# Altium PCB Main_Board.PcbDoc (part 15 of 19) (continued)
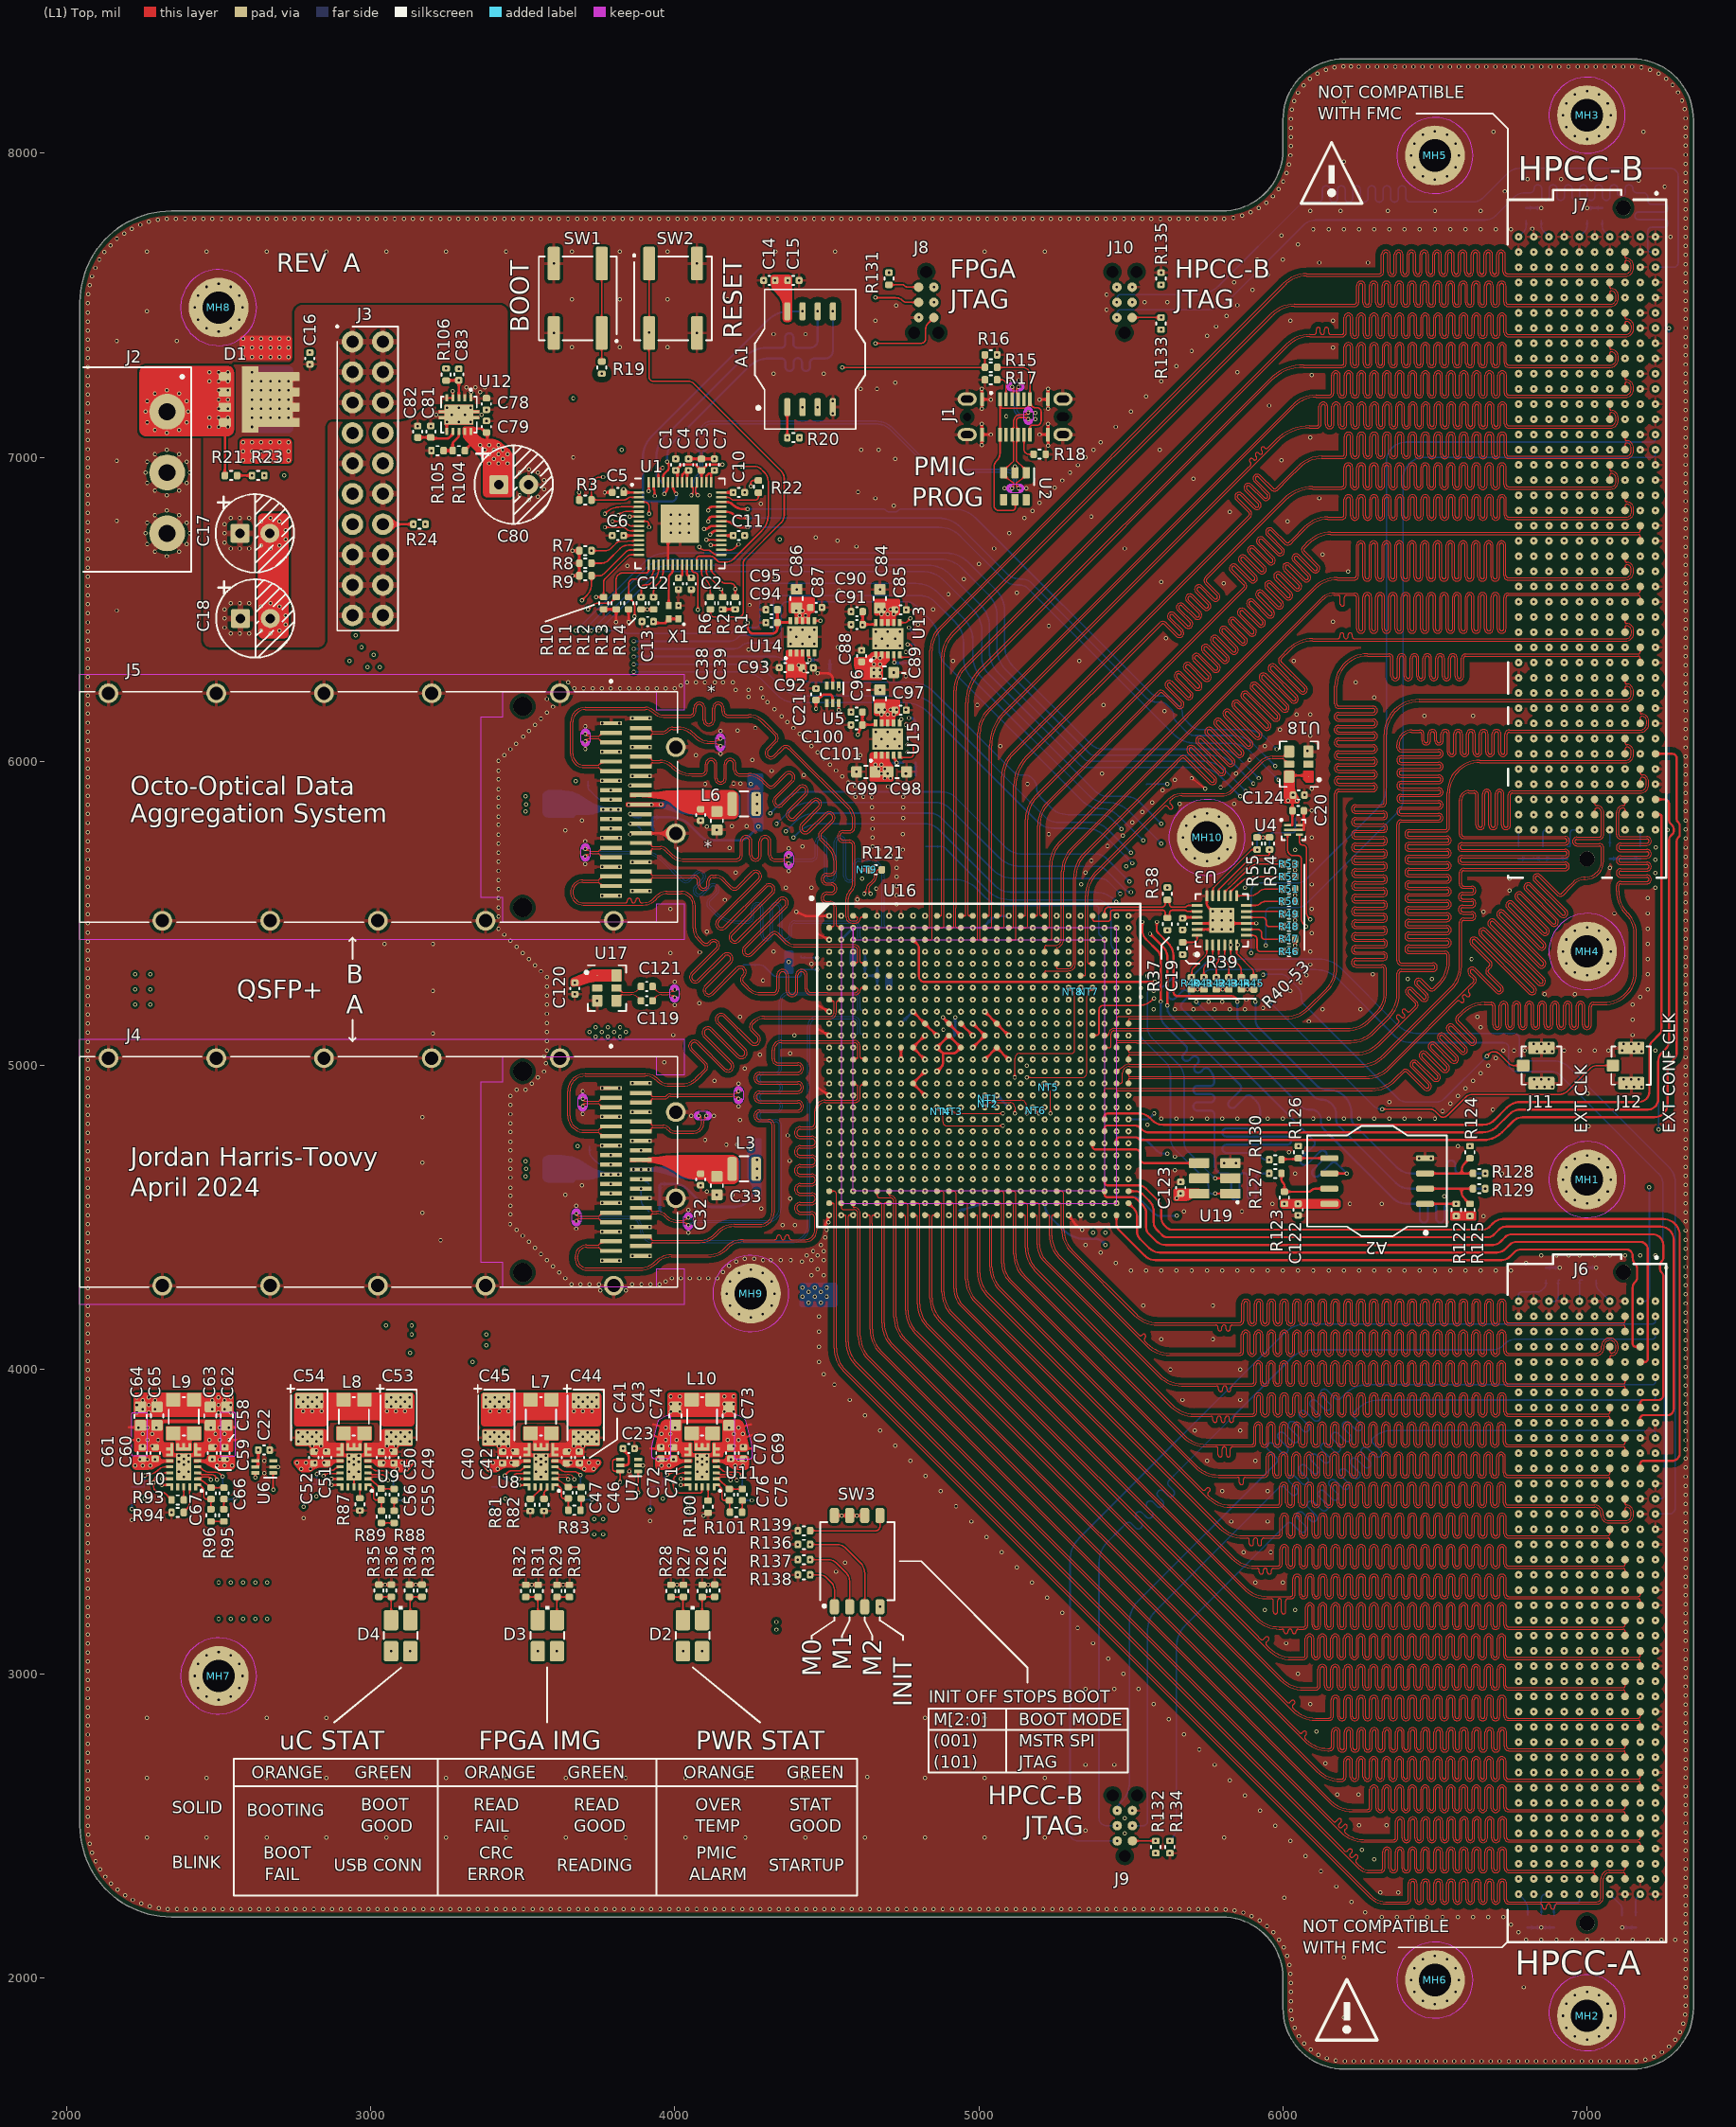
[diagram p0: (L1) Top view]
## Nets (pads, with @x,y where several pads share a name; then routed paths per layer and width w, separated by ;. In a path a pad name is that pad's centre, name@x,y a point inside that pad or via, vN(x,y) a via of type N, cw(c..) or ccw(c..) an arc to the next point about the centre after c; other vN are vias at no path point) (continued)
HPCC_B_68_P: J7.J22 U16.G19 | length 4382.1
  (L3) Inner 2 w3.5: v1(5216.54,5255.91) cw(c5217.34,5252.5) 5217.32,5256 5229.2,5256 ccw(c5229.2,5259.5) 5232.7,5259.5 5232.7,5516.23 ccw(c5230.23,5516.23) 5231.98,5517.98 cw(c5233.73,5519.73) 5231.25,5519.73 5231.25,5658.63 cw(c5340.05,5658.63) 5263.12,5735.56 6150.09,6622.53 cw(c6227.02,6545.6) 6227.02,6654.4 6291.07,6654.4 6297.23,6654.4 ccw(c6297.23,6661.15) 6303.98,6661.15 6303.98,6703.82 cw(c6319.53,6703.82) 6335.08,6703.82 6335.08,6609.24 ccw(c6341.83,6609.24) 6348.58,6609.24 6348.58,6703.82 cw(c6364.13,6703.82) 6379.68,6703.82 6379.68,6609.24 ccw(c6386.43,6609.24) 6393.18,6609.24 6393.18,6703.82 cw(c6408.73,6703.82) 6424.28,6703.82 6424.28,6609.24 ccw(c6431.03,6609.24) 6437.78,6609.24 6437.78,6703.82 cw(c6453.33,6703.82) 6468.88,6703.82 6468.88,6609.24 ccw(c6475.63,6609.24) 6482.38,6609.24 6482.38,6703.82 cw(c6497.93,6703.82) 6513.48,6703.82 6513.48,6609.24 ccw(c6520.23,6609.24) 6526.98,6609.24 6526.98,6703.82 cw(c6542.53,6703.82) 6558.08,6703.82 6558.08,6609.24 ccw(c6564.83,6609.24) 6571.58,6609.24 6571.58,6703.82 cw(c6587.13,6703.82) 6602.68,6703.82 6602.68,6609.24 ccw(c6609.43,6609.24) 6616.18,6609.24 6616.18,6703.82 cw(c6631.73,6703.82) 6647.28,6703.82 6647.28,6609.24 ccw(c6654.03,6609.24) 6660.78,6609.24 6660.78,6703.82 cw(c6676.33,6703.82) 6691.88,6703.82 6691.88,6609.24 ccw(c6698.63,6609.24) 6705.38,6609.24 6705.38,6638.85 cw(c6720.93,6638.85) 6720.93,6654.4 6750.33,6654.4 6821.5,6654.4 ccw(c6821.5,6657.9) 6823.97,6655.43 ccw(c6821.5,6657.9) 6825,6657.9 v1(6825,6675)
HPCC_B_69_N: J7.J27 U16.M19 | length 4312.6
  (L3) Inner 2 w3.5: v1(5216.54,5059.06) 5216.54,5048.45 ccw(c5221.63,5048.46) 5221.62,5043.37 5225.84,5043.37 5248.9,5043.37 ; 5248.93,5043.37 ccw(c5249.31,5046.85) 5249.29,5043.35 5891.93,5043.35 ccw(c5891.93,5143.35) 5962.64,5072.64 6140.71,5250.71 ccw(c6070,5321.42) 6170,5321.42 6170,5684 6170,5736.25 cw(c6185.55,5736.25) 6185.55,5751.8 6290.59,5751.8 ccw(c6290.59,5758.55) 6290.59,5765.3 6183.59,5765.3 cw(c6183.59,5780.85) 6183.59,5796.4 6290.59,5796.4 ccw(c6290.59,5803.15) 6290.59,5809.9 6183.59,5809.9 cw(c6183.59,5825.45) 6183.59,5841 6290.59,5841 ccw(c6290.59,5847.75) 6290.59,5854.5 6183.59,5854.5 cw(c6183.59,5870.05) 6183.59,5885.6 6290.59,5885.6 ccw(c6290.59,5892.35) 6290.59,5899.1 6183.59,5899.1 cw(c6183.59,5914.65) 6183.59,5930.2 6290.59,5930.2 ccw(c6290.59,5936.95) 6290.59,5943.7 6183.59,5943.7 cw(c6183.59,5959.25) 6183.59,5974.8 6290.59,5974.8 ccw(c6290.59,5981.55) 6290.59,5988.3 6185.55,5988.3 cw(c6185.55,6003.85) 6170,6003.85 6170,6010 6170,6295 cw(c6278.8,6295) 6278.8,6403.8 6829.8,6403.8 ccw(c6829.8,6420) 6846,6420 6846,6430 ccw(c6829,6430) 6829,6447 ccw(c6829,6443) 6825,6443 v1(6825,6425)
HPCC_B_69_P: J7.J26 U16.N18 | length 4377.5
  (L3) Inner 2 w3.5: v1(5177.17,5019.69) 5177.17,5030.17 cw(c5183,5030.17) 5183,5036 5516.23,5036 cw(c5516.23,5033.52) 5517.98,5035.28 ; 5517.98,5035.27 ccw(c5519.73,5037.03) 5519.73,5034.55 5891.93,5034.55 ccw(c5891.93,5143.35) 5968.86,5066.42 6146.93,5244.49 ccw(c6070,5321.42) 6178.8,5321.42 6178.8,5684 6178.8,5736.25 cw(c6185.55,5736.25) 6185.55,5743 6290.59,5743 ccw(c6290.59,5758.55) 6290.59,5774.1 6183.59,5774.1 cw(c6183.59,5780.85) 6183.59,5787.6 6290.59,5787.6 ccw(c6290.59,5803.15) 6290.59,5818.7 6183.59,5818.7 cw(c6183.59,5825.45) 6183.59,5832.2 6290.59,5832.2 ccw(c6290.59,5847.75) 6290.59,5863.3 6183.59,5863.3 cw(c6183.59,5870.05) 6183.59,5876.8 6290.59,5876.8 ccw(c6290.59,5892.35) 6290.59,5907.9 6183.59,5907.9 cw(c6183.59,5914.65) 6183.59,5921.4 6290.59,5921.4 ccw(c6290.59,5936.95) 6290.59,5952.5 6183.59,5952.5 cw(c6183.59,5959.25) 6183.59,5966 6290.59,5966 ccw(c6290.59,5981.55) 6290.59,5997.1 6185.55,5997.1 cw(c6185.55,6003.85) 6178.8,6003.85 6178.8,6010 6178.8,6295 cw(c6278.8,6295) 6278.8,6395 6829.8,6395 ccw(c6829.8,6420) 6854.8,6420 6854.8,6430 ccw(c6829,6430) 6829,6455.8 cw(c6829,6459.8) 6825,6459.8 v1(6825,6475)
HPCC_B_70_N: J7.J31 U16.P21 | length 4455.4
  (L3) Inner 2 w3.5: v1(5295.28,4980.31) 5295.28,4967.81 ccw(c5298.78,4967.81) 5296.3,4965.33 ccw(c5298.78,4967.81) 5298.78,4964.31 6102.88,4964.31 ccw(c6102.88,5064.31) 6173.59,4993.59 6345.71,5165.71 ccw(c6275,5236.42) 6375,5236.42 6375,5691.51 6375,5735.6 cw(c6390.55,5735.6) 6390.55,5751.15 6504,5751.15 ccw(c6504,5757.9) 6504,5764.65 6390.12,5764.65 cw(c6390.12,5780.2) 6390.12,5795.75 6504,5795.75 ccw(c6504,5802.5) 6504,5809.25 6390.12,5809.25 cw(c6390.12,5824.8) 6390.12,5840.35 6504,5840.35 ccw(c6504,5847.1) 6504,5853.85 6390.12,5853.85 cw(c6390.12,5869.4) 6390.12,5884.95 6504,5884.95 ccw(c6504,5891.7) 6504,5898.45 6390.12,5898.45 cw(c6390.12,5914) 6390.12,5929.55 6504,5929.55 ccw(c6504,5936.3) 6504,5943.05 6390.12,5943.05 cw(c6390.12,5958.6) 6390.12,5974.15 6504,5974.15 ccw(c6504,5980.9) 6504,5987.65 6390.12,5987.65 cw(c6390.12,6003.2) 6390.12,6018.75 6504,6018.75 ccw(c6504,6025.5) 6504,6032.25 6390.55,6032.25 cw(c6390.55,6047.8) 6375,6047.8 6375,6053.95 6375,6095 cw(c6483.8,6095) 6483.8,6203.8 6827.8,6203.8 ccw(c6827.8,6222) 6846,6222 6846,6231 ccw(c6830,6231) 6830,6247 ccw(c6830,6242) 6825,6242 v1(6825,6225)
HPCC_B_70_P: J7.J30 U16.R21 | length 4480.6
  (L3) Inner 2 w3.5: v1(5295.28,4940.94) 5295.28,4953.45 cw(c5298.78,4953.45) 5296.3,4955.93 cw(c5298.78,4953.45) 5298.78,4956.95 5516.23,4956.95 cw(c5516.23,4954.48) 5517.98,4956.23 ccw(c5519.73,4957.98) 5519.73,4955.51 6102.88,4955.51 ccw(c6102.88,5064.31) 6179.82,4987.37 6351.93,5159.49 ccw(c6275,5236.42) 6383.8,5236.42 6383.8,5691.51 6383.8,5735.6 cw(c6390.55,5735.6) 6390.55,5742.35 6504,5742.35 ccw(c6504,5757.9) 6504,5773.45 6390.12,5773.45 cw(c6390.12,5780.2) 6390.12,5786.95 6504,5786.95 ccw(c6504,5802.5) 6504,5818.05 6390.12,5818.05 cw(c6390.12,5824.8) 6390.12,5831.55 6504,5831.55 ccw(c6504,5847.1) 6504,5862.65 6390.12,5862.65 cw(c6390.12,5869.4) 6390.12,5876.15 6504,5876.15 ccw(c6504,5891.7) 6504,5907.25 6390.12,5907.25 cw(c6390.12,5914) 6390.12,5920.75 6504,5920.75 ccw(c6504,5936.3) 6504,5951.85 6390.12,5951.85 cw(c6390.12,5958.6) 6390.12,5965.35 6504,5965.35 ccw(c6504,5980.9) 6504,5996.45 6390.12,5996.45 cw(c6390.12,6003.2) 6390.12,6009.95 6504,6009.95 ccw(c6504,6025.5) 6504,6041.05 6390.55,6041.05 cw(c6390.55,6047.8) 6383.8,6047.8 6383.8,6053.95 6383.8,6095 cw(c6483.8,6095) 6483.8,6195 6827.8,6195 ccw(c6827.8,6222) 6854.8,6222 6854.8,6231 ccw(c6830,6231) 6830,6255.8 cw(c6830,6260.8) 6825,6260.8 v1(6825,6275)
HPCC_B_71_N: J7.J35 U16.T17 | length 4457.9
  (L3) Inner 2 w3.5: v1(5137.8,4901.57) 5137.8,4889.06 ccw(c5141.3,4889.06) 5138.82,4886.59 ccw(c5141.3,4889.07) 5141.3,4885.56 6254.14,4885.56 ccw(c6254.14,4985.56) 6324.85,4914.85 6339.04,4929.04 6357.14,4947.14 cw(c6368.14,4936.15) 6379.13,4947.14 6432.83,4893.44 ccw(c6437.6,4898.22) 6442.38,4893.44 ccw(c6437.6,4898.22) 6442.38,4902.99 6388.32,4957.04 cw(c6399.32,4968.03) 6388.32,4979.03 cw(c6399.32,4968.03) 6410.32,4979.03 6464.37,4924.98 ccw(c6469.14,4929.75) 6473.91,4924.98 ccw(c6469.14,4929.75) 6473.91,4934.53 6419.89,4988.55 cw(c6430.86,4999.57) 6419.86,5010.57 cw(c6430.86,4999.57) 6440.39,5011.86 6440.56,5011.86 6495.93,4956.49 ; 6451.41,5020.1 cw(c6462.39,5031.11) 6451.4,5042.1 cw(c6462.39,5031.11) 6471.93,5043.39 6472.1,5043.39 6527.46,4988.03 ccw(c6532.21,4992.83) 6536.98,4988.04 ccw(c6532.21,4992.83) 6536.97,4997.62 ; 6451.43,5020.09 6505.42,4966.09 ; 6482.96,5051.62 6536.96,4997.63 ; 6482.95,5051.63 cw(c6493.93,5062.65) 6482.94,5073.64 cw(c6493.93,5062.65) 6503.46,5074.93 6503.64,5074.93 6559,5019.57 ccw(c6563.75,5024.36) 6568.52,5019.59 ccw(c6563.75,5024.36) 6568.51,5029.15 6514.5,5083.16 cw(c6525.47,5094.18) 6514.47,5105.18 cw(c6525.47,5094.18) 6535,5106.47 6535.17,5106.47 6590.54,5051.1 ccw(c6595.29,5055.9) 6600.06,5051.13 ccw(c6595.29,5055.9) 6600.04,5060.69 6546.39,5114.34 cw(c6557.36,5125.37) 6546.36,5136.36 6550.71,5140.71 ccw(c6480,5211.42) 6580,5211.42 6580,5598.82 6580,5625.05 cw(c6595.55,5625.05) 6595.55,5640.6 6689.28,5640.6 ccw(c6689.28,5647.35) 6689.28,5654.1 6594.13,5654.1 cw(c6594.13,5669.65) 6594.13,5685.2 6689.28,5685.2 ccw(c6689.28,5691.95) 6689.28,5698.7 6594.13,5698.7 cw(c6594.13,5714.25) 6594.13,5729.8 6689.28,5729.8 ccw(c6689.28,5736.55) 6689.28,5743.3 6595.55,5743.3 cw(c6595.55,5758.85) 6580,5758.85 6580,5765 6580,5895 cw(c6688.8,5895) 6688.8,6003.8 6690.55,6003.8 ccw(c6690.55,6010.55) 6697.3,6010.55 6697.3,6016.58 cw(c6704.05,6016.58) 6710.8,6016.58 6710.8,6009.1 ccw(c6717.55,6009.1) 6724.3,6009.1 6724.3,6016.58 cw(c6731.05,6016.58) 6737.8,6016.58 6737.8,6010.55 ccw(c6744.55,6010.55) 6744.55,6003.8 6759,6003.8 6827.8,6003.8 ccw(c6827.8,6022) 6846,6022 6846,6030 ccw(c6830,6030) 6830,6046 ccw(c6830,6041) 6825,6041 v1(6825,6025) ; 6495.93,4956.49 ccw(c6500.68,4961.29) 6505.45,4956.52 ccw(c6500.68,4961.29) 6505.43,4966.08
HPCC_B_71_P: J7.J34 U16.U17 | length 4427.3
  (L3) Inner 2 w3.5: v1(5137.8,4862.2) 5137.8,4874.71 cw(c5141.3,4874.71) 5138.82,4877.19 cw(c5141.3,4874.71) 5141.3,4878.21 5516.23,4878.21 cw(c5516.23,4875.74) 5517.98,4877.49 ccw(c5519.73,4879.24) 5519.73,4876.76 6254.14,4876.76 ccw(c6254.14,4985.56) 6331.08,4908.63 6345.27,4922.82 6363.36,4940.92 cw(c6368.14,4936.15) 6372.91,4940.92 6426.61,4887.22 ccw(c6437.6,4898.22) 6448.6,4887.22 ccw(c6437.6,4898.22) 6448.6,4909.21 6394.55,4963.26 cw(c6399.32,4968.03) 6394.55,4972.81 cw(c6399.32,4968.03) 6404.09,4972.81 6458.14,4918.76 ccw(c6469.14,4929.75) 6480.13,4918.76 ccw(c6469.14,4929.75) 6480.13,4940.75 6426.06,4994.82 cw(c6430.86,4999.57) 6426.08,5004.34 cw(c6430.86,4999.57) 6435.65,5004.33 ; 6435.66,5004.32 6489.65,4950.32 ccw(c6500.68,4961.29) 6511.67,4950.29 ccw(c6500.68,4961.29) 6512.96,4970.82 6512.96,4971 6457.6,5026.36 cw(c6462.39,5031.11) 6457.62,5035.88 cw(c6462.39,5031.11) 6467.18,5035.86 6521.19,4981.86 ccw(c6532.21,4992.83) 6541.75,4980.54 6541.92,4980.54 6544.5,4983.12 6544.5,4983.29 ccw(c6532.21,4992.83) 6544.5,5002.36 6544.5,5002.53 6489.14,5057.89 cw(c6493.93,5062.65) 6489.16,5067.42 cw(c6493.93,5062.65) 6498.72,5067.4 ; 6498.73,5067.39 6552.73,5013.39 ccw(c6563.75,5024.36) 6574.75,5013.37 ccw(c6563.75,5024.36) 6576.03,5033.9 6576.03,5034.07 6520.67,5089.43 cw(c6525.47,5094.18) 6520.69,5098.95 cw(c6525.47,5094.18) 6530.26,5098.94 6584.26,5044.93 ; 6584.27,5044.92 ccw(c6595.29,5055.9) 6606.28,5044.9 ccw(c6595.29,5055.9) 6607.57,5065.43 6607.57,5065.61 6552.58,5120.59 cw(c6557.36,5125.37) 6552.58,5130.14 6556.93,5134.49 ccw(c6480,5211.42) 6588.8,5211.42 6588.8,5598.82 6588.8,5625.05 cw(c6595.55,5625.05) 6595.55,5631.8 6689.28,5631.8 ccw(c6689.28,5647.35) 6689.28,5662.9 6594.13,5662.9 cw(c6594.13,5669.65) 6594.13,5676.4 6689.28,5676.4 ccw(c6689.28,5691.95) 6689.28,5707.5 6594.13,5707.5 cw(c6594.13,5714.25) 6594.13,5721 6689.28,5721 ccw(c6689.28,5736.55) 6689.28,5752.1 6595.55,5752.1 cw(c6595.55,5758.85) 6588.8,5758.85 6588.8,5765 6588.8,5895 cw(c6688.8,5895) 6688.8,5995 6827.8,5995 ccw(c6827.8,6022) 6854.8,6022 6854.8,6030 ccw(c6830,6030) 6830,6054.8 cw(c6830,6059.8) 6825,6059.8 v1(6825,6075)
HPCC_B_72_N: J7.J39 U16.T23 | length 4270.1
  (L8) Inner 7 w3.5: v1(5374.02,4901.57) 5374.02,4912.74 cw(c5378.8,4912.74) 5378.8,4917.52 5515,4917.52 ccw(c5516.45,4917.52) 5516.45,4916.07 6233.45,4916.07 ccw(c6233.45,5024.87) 6310.38,4947.94 6684.22,5321.77 6688.57,5326.12 ccw(c6677.57,5337.12) 6688.57,5348.11 6630.96,5405.72 cw(c6635.75,5410.47) 6630.98,5415.25 cw(c6635.75,5410.47) 6640.54,5415.23 ; 6640.55,5415.22 6703.75,5352.02 ccw(c6714.77,5362.99) 6725.77,5352 ccw(c6714.77,5362.99) 6727.06,5372.53 6727.06,5372.7 6662.49,5437.26 cw(c6667.29,5442.01) 6662.52,5446.78 cw(c6667.29,5442.01) 6672.08,5446.77 6729.62,5389.22 ccw(c6740.65,5400.19) 6751.64,5389.2 6764.17,5401.72 6771.93,5409.49 ccw(c6695,5486.42) 6803.8,5486.42 6803.8,5490 6803.8,5521.7 ccw(c6788.25,5521.7) 6788.25,5537.25 6786.92,5537.25 cw(c6786.92,5544) 6786.92,5550.75 7049.29,5550.75 ccw(c7049.29,5566.3) 7049.29,5581.85 6786.92,5581.85 cw(c6786.92,5588.6) 6786.92,5595.35 7049.29,5595.35 ccw(c7049.29,5610.9) 7049.29,5626.45 6786.92,5626.45 cw(c6786.92,5633.2) 6786.92,5639.95 6947.7,5639.95 ccw(c6947.7,5655.5) 6947.7,5671.05 6786.92,5671.05 cw(c6786.92,5677.8) 6786.92,5684.55 6947.7,5684.55 ccw(c6947.7,5700.1) 6947.7,5715.65 6810.55,5715.65 cw(c6810.55,5722.4) 6803.8,5722.4 6803.8,5728.55 6803.8,5830.8 cw(c6820,5830.8) 6820,5847 cw(c6820,5842) 6825,5842 v1(6825,5825)
HPCC_B_72_P: J7.J38 U16.T22 | length 4312.4
  (L8) Inner 7 w3.5: v1(5334.65,4901.57) 5334.65,4918.17 cw(c5341.34,4918.17) 5341.34,4924.87 6233.45,4924.87 ccw(c6233.45,5024.87) 6304.16,4954.16 6678,5328 6682.34,5332.34 ccw(c6677.57,5337.12) 6682.34,5341.89 6624.78,5399.45 ; 6624.77,5399.46 cw(c6635.75,5410.47) 6624.76,5421.47 cw(c6635.75,5410.47) 6645.29,5422.76 6645.46,5422.76 6710.02,5358.2 ccw(c6714.77,5362.99) 6719.54,5358.22 ccw(c6714.77,5362.99) 6719.53,5367.78 ; 6719.52,5367.79 6656.32,5430.99 cw(c6667.29,5442.01) 6656.29,5453.01 cw(c6667.29,5442.01) 6676.82,5454.3 6676.99,5454.3 6735.87,5395.42 ccw(c6740.65,5400.19) 6745.42,5395.42 6757.95,5407.95 6765.71,5415.71 ccw(c6695,5486.42) 6795,5486.42 6795,5490 6795,5521.7 ccw(c6788.25,5521.7) 6788.25,5528.45 6786.92,5528.45 cw(c6786.92,5544) 6786.92,5559.55 7049.29,5559.55 ccw(c7049.29,5566.3) 7049.29,5573.05 6786.92,5573.05 cw(c6786.92,5588.6) 6786.92,5604.15 7049.29,5604.15 ccw(c7049.29,5610.9) 7049.29,5617.65 6786.92,5617.65 cw(c6786.92,5633.2) 6786.92,5648.75 6947.7,5648.75 ccw(c6947.7,5655.5) 6947.7,5662.25 6786.92,5662.25 cw(c6786.92,5677.8) 6786.92,5693.35 6947.7,5693.35 ccw(c6947.7,5700.1) 6947.7,5706.85 6810.55,5706.85 cw(c6810.55,5722.4) 6795,5722.4 6795,5728.55 6795,5830.8 cw(c6820,5830.8) 6820,5855.8 ccw(c6820,5860.8) 6825,5860.8 v1(6825,5875)
HPCC_B_GP01: J7.A18 U16.AC26 | length 4005.2
  (L10) Inner 9 w5: v1(5492.13,4625.98) 5553.48,4625.98 cw(c5553.48,4588.48) 5580,4615 5587.93,4607.07 ccw(c5614.71,4633.86) 5614.71,4595.98 6614.07,4595.98 ccw(c6614.07,4660.93) 6660,4615 6860.86,4815.86 cw(c6895,4781.72) 6895,4830 7265,4830 ccw(c7265,4860) 7295,4860 7295,5737.93 cw(c7312.07,5737.93) 7300,5750 ccw(c7287.93,5762.07) 7305,5762.07 7305,5787.93 ccw(c7287.93,5787.93) 7300,5800 cw(c7312.07,5812.07) 7295,5812.07 7295,6860 ccw(c7280,6860) 7280,6875 v1(7225,6875)
HPCC_B_GP02: J7.A19 U16.AB26 | length 3868.6
  (L10) Inner 9 w5: v1(5492.13,4665.35) 5580.55,4665.35 cw(c5580.55,4631.31) 5604.65,4655.35 5617.93,4642.07 ccw(c5635,4659.14) 5635,4635 5747.93,4635 ccw(c5747.93,4652.07) 5760,4640 5760.4,4640.4 cw(c5776.76,4624.04) 5776.76,4647.18 5779.89,4647.18 cw(c5779.89,4625.98) 5794.9,4640.94 5805.38,4630.47 ccw(c5821.79,4646.73) 5821.79,4623.62 6587.54,4623.62 ccw(c6587.54,4662.46) 6615,4635 6647.93,4667.93 cw(c6665,4650.86) 6665,4675 6665.86,4675 ccw(c6665.86,4709.14) 6690,4685 6849.39,4844.39 cw(c6875,4818.79) 6875,4855 7200,4855 ccw(c7200,4890) 7235,4890 7235,5015.86 cw(c7269.14,5015.86) 7245,5040 7255.86,5050.86 ccw(c7221.72,5085) 7270,5085 7270,5742.93 cw(c7287.07,5742.93) 7275,5755 7281.46,5761.46 ccw(c7272.93,5770) 7285,5770 7285,5777.93 ccw(c7267.93,5777.93) 7280,5790 7273.54,5796.46 cw(c7282.07,5805) 7270,5805 7270,6810 ccw(c7255,6810) 7255,6825 v1(7225,6825)
HPCC_B_GP03: J7.A22 U16.AB25 | length 3683.9
  (L10) Inner 9 w5: v1(5452.76,4665.35) 5452.76,4672.76 cw(c5465,4672.76) 5465,4685 5622.93,4685 cw(c5622.93,4667.93) 5635,4680 5636.46,4678.54 ccw(c5645,4687.07) 5645,4675 5757.93,4675 ccw(c5757.93,4692.07) 5770,4680 5782.93,4692.93 cw(c5800,4675.86) 5800,4700 5852.93,4700 cw(c5852.93,4682.93) 5865,4695 5882.93,4677.07 ccw(c5900,4694.14) 5900,4670 6593.79,4670 ccw(c6593.79,4721.21) 6629.99,4684.99 6814.39,4869.39 cw(c6840,4843.79) 6840,4880 7175,4880 ccw(c7175,4910) 7205,4910 7205,5055.86 cw(c7239.14,5055.86) 7215,5080 7237.93,5102.93 ccw(c7220.86,5120) 7245,5120 7245,6665 ccw(c7235,6665) 7235,6675 v1(7225,6675)
HPCC_B_GP04: J7.A23 U16.AA25 | length 3845.4
  (L8) Inner 7 w5: v1(5452.76,4704.72) 5452.76,4694.24 ccw(c5462,4694.24) 5462,4685 5605,4685 cw(c5605,4665) 5625,4665 5625,4650 ccw(c5640,4650) 5640,4635 5695.86,4635 cw(c5695.86,4600.86) 5720,4625 5725.86,4619.14 ccw(c5760,4653.28) 5760,4605 6635.83,4605 ccw(c6635.86,4643.09) 6662.79,4616.16 6863.65,4817.01 cw(c6895,4785.66) 6895,4830 7270.15,4830 ccw(c7270.15,4854.85) 7295,4854.85 7295,5737.93 cw(c7312.07,5737.93) 7299.99,5749.99 7301.46,5751.46 ccw(c7292.93,5760) 7305,5760 7305,5790 ccw(c7292.93,5790) 7301.46,5798.54 7298.54,5801.46 cw(c7307.07,5810) 7295,5810 7295,6610 ccw(c7280,6610) 7280,6625 v1(7225,6625)
HPCC_B_GP05: J7.A26 U16.W25 | length 3583.2
  (L8) Inner 7 w5: v1(5620,4710) 5625,4715 cw(c5637.07,4702.93) 5637.07,4720 5710,4720 cw(c5710,4695.86) 5727.07,4712.93 5764.37,4675.63 ccw(c5798.53,4709.73) 5798.53,4661.47 6647.33,4661.47 ccw(c6647.33,4707.67) 6680,4675 6845.86,4840.86 cw(c6880,4806.72) 6880,4855 7200,4855 ccw(c7200,4890) 7235,4890 7235,5015.86 cw(c7269.14,5015.86) 7245,5040 7255.86,5050.86 ccw(c7221.72,5085) 7270,5085 7270,5742.93 cw(c7287.07,5742.93) 7275,5755 7281.46,5761.46 ccw(c7272.93,5770) 7285,5770 7285,5780 ccw(c7272.93,5780) 7281.46,5788.54 7273.54,5796.46 cw(c7282.07,5805) 7270,5805 7270,6465 ccw(c7260,6465) 7260,6475 v1(7225,6475)
  (L12) Bottom w7: v1(5452.76,4783.46) 5452.76,4773.24 ccw(c5462,4773.24) 5462,4764 5514.13,4764 cw(c5514.13,4699.13) 5560,4745 5584.39,4720.61 ccw(c5610,4746.21) 5610,4710 v1(5620,4710)
HPCC_B_GP06: J7.A27 U16.W23 | length 3456.2
  (L8) Inner 7 w5: v1(5374.02,4783.46) 5374.02,4771.98 ccw(c5382,4771.98) 5382,4764 6055.34,4764 cw(c6055.34,4750.34) 6065,4760 6066.46,4758.54 ccw(c6075,4767.07) 6075,4755 6661.72,4755 ccw(c6661.72,4823.28) 6710,4775 6800.86,4865.86 cw(c6835,4831.72) 6835,4880 7170,4880 ccw(c7170,4915) 7205,4915 7205,5055.86 cw(c7239.14,5055.86) 7215,5080 7237.93,5102.93 ccw(c7220.86,5120) 7245,5120 7245,6415 ccw(c7235,6415) 7235,6425 v1(7225,6425)
HPCC_B_GP07: J7.A30 U16.V26 | length 2979.2
  (L8) Inner 7 w5: v1(5577,4842) 6026.93,4842 ccw(c6026.93,4859.07) 6039,4847 cw(c6049.71,4836.29) 6049.71,4851.44 6060.7,4851.44 cw(c6060.7,4839.7) 6069,4848 6069.76,4847.24 ccw(c6080,4857.49) 6080,4843 6302.34,4843 cw(c6302.34,4829.34) 6312,4839 ccw(c6319.24,4846.24) 6319.24,4836 6331.17,4836 ccw(c6331.17,4842.83) 6335.99,4837.99 6336.46,4838.46 cw(c6345,4829.93) 6345,4842 6498.1,4842 cw(c6498.1,4818.1) 6515,4835 6516.46,4833.54 ccw(c6525,4842.07) 6525,4830 6542.93,4830 ccw(c6542.93,4859.14) 6563.54,4838.54 6730.86,5005.86 cw(c6765,4971.72) 6765,5020 6930,5020 ccw(c6930,5040) 6950,5040 6950,5119.1 ; 6950,5119.13 cw(c7000.38,5119.13) 6964.77,5154.77 7118.12,5308.12 ccw(c7077.43,5348.85) 7135,5348.85 7135,5585.86 cw(c7169.14,5585.86) 7145,5610 7151.76,5616.76 ccw(c7131.93,5636.63) 7160,5636.63 7160,5693.86 7160,5693.93 ccw(c7121.15,5693.91) 7148.59,5721.41 7107.07,5762.93 cw(c7124.14,5780) 7100,5780 7100,6050.86 cw(c7134.14,6050.86) 7110,6075 7134.13,6099.13 ccw(c7095.87,6137.42) 7150,6137.42 7150,6230 cw(c7170,6230) 7170,6250 7215,6250 ccw(c7215,6260) 7225,6260 v1(7225,6275)
  (L12) Bottom w7: v1(5492.13,4822.83) 5547.7,4822.83 ccw(c5547.7,4847.3) 5565,4830 v1(5577,4842)
HPCC_B_GP08: J7.A31 U16.U22 | length 3102
  (L8) Inner 7 w5: v1(5334.65,4862.2) 5334.65,4851.35 ccw(c5344,4851.35) 5344,4842 5531.03,4842 cw(c5531.03,4801.03) 5560,4830 5570.86,4819.14 ccw(c5605,4853.28) 5605,4805 6543.79,4805 ccw(c6543.79,4856.21) 6579.99,4819.99 6748.87,4988.87 cw(c6775.69,4962.13) 6775.73,5000 6980,5000 ccw(c6980,5020) 7000,5020 7000,5118.62 ; 7000,5118.65 cw(c7051.55,5118.65) 7015.11,5155.11 7144.06,5284.06 ccw(c7117.7,5310.45) 7155,5310.45 7155,5570.69 cw(c7182.31,5570.69) 7162.99,5589.99 7169.51,5596.51 ccw(c7149.03,5617) 7178,5617 7178,5723 ccw(c7153.86,5723) 7170.93,5740.07 7155.66,5755.34 cw(c7169.31,5769) 7150,5769 7150,6065.86 cw(c7184.14,6065.86) 7160,6090 7189.39,6119.39 ccw(c7163.79,6145) 7200,6145 7200,6215 cw(c7210,6215) 7210,6225 v1(7225,6225)
HPCC_B_GP09: J7.A34 U16.V22 | length 2970.1
  (L8) Inner 7 w5: v1(5334.65,4822.83) 5334.65,4811.35 ccw(c5343,4811.35) 5343,4803 5515.69,4803 cw(c5515.69,4775.69) 5535,4795 ccw(c5559.14,4819.14) 5559.14,4785 6558.79,4785 ccw(c6558.79,4836.21) 6594.99,4799.99 6764.39,4969.39 cw(c6790,4943.79) 6790,4980 7020,4980 ccw(c7020,5005) 7045,5005 7045,5117.93 cw(c7098.2,5117.96) 7060.6,5155.6 7164.39,5259.39 ccw(c7138.79,5285) 7175,5285 7175,5548.79 cw(c7226.21,5548.79) 7190,5585 ccw(c7165.86,5609.14) 7200,5609.14 7200,6065 cw(c7210,6065) 7210,6075 v1(7225,6075)
HPCC_B_GP10: J7.A35 U16.Y25 | length 3112
  (L1) Top w7: U16.Y25@5452.76,4744.09 5452.76,4753.76 cw(c5463,4753.76) 5463,4764 5515.34,4764 cw(c5515.34,4750.34) 5525,4760 5526.46,4758.54 ccw(c5535,4767.07) 5535,4755 6659.64,4755 ccw(c6659.64,4840.36) 6720,4780 6756.83,4816.83 cw(c6788.6,4785.09) 6788.6,4830 7222.42,4830 ccw(c7222.42,4872.58) 7265,4872.58 7265,4987.33 cw(c7295.6,4987.33) 7273.96,5008.96 7287.93,5022.93 ccw(c7270.86,5040) 7295,5040 7295,5737.93 cw(c7312.07,5737.93) 7300,5750 7301.46,5751.46 ccw(c7292.93,5760) 7305,5760 7305,5787.93 ccw(c7287.93,5787.93) 7300,5800 7298.54,5801.46 cw(c7307.07,5810) 7295,5810 7295,6010 ccw(c7280,6010) 7280,6025 J7.A35@7225,6025
HPCC_B_GP11: J7.A38 U16.W24 | length 2934.4
  (L1) Top w7: U16.W24@5413.39,4783.46 5413.39,4794.39 cw(c5422,4794.39) 5422,4803 5510.69,4803 cw(c5510.69,4775.69) 5529.99,4795.01 5534.39,4790.61 ccw(c5560,4816.21) 5560,4780 6656.72,4780 ccw(c6656.72,4848.28) 6705,4800 6744.37,4839.37 cw(c6782,4801.9) 6781.35,4855 7200.01,4855 ccw(c7200.01,4889.1) 7234.11,4889.1 7234.11,5012.88 7234.11,5013.01 cw(c7275.7,5013.01) 7246.32,5042.45 7258.17,5054.3 ccw(c7229.68,5082.83) 7270,5082.83 7270,5742.93 cw(c7287.07,5742.93) 7275,5755 7281.46,5761.46 ccw(c7272.93,5770) 7285,5770 7285,5777.93 ccw(c7267.93,5777.93) 7280,5790 7273.54,5796.46 cw(c7282.07,5805) 7270,5805 7270,5860 ccw(c7255,5860) 7255,5875 J7.A38@7225,5875
HPCC_B_GP12: J7.A39 U16.V24 | length 2805.8
  (L1) Top w7: U16.V24@5413.39,4822.83 5413.39,4832.39 cw(c5423,4832.39) 5423,4842 5528.2,4842 5528.28,4842 cw(c5528.25,4794.33) 5562,4828 5569.86,4820.14 5569.89,4820.11 ccw(c5606.36,4856.57) 5606.36,4805 ; 5606.4,4805 6657.54,4805 6657.59,4805 ccw(c6657.59,4859.1) 6695.87,4820.87 6735.95,4860.95 cw(c6781.87,4815.14) 6781.87,4880 6792.89,4880 7170.54,4880 ccw(c7170.54,4914.46) 7205,4914.46 7205,5055.86 cw(c7239.14,5055.86) 7215,5080 7237.93,5102.93 ccw(c7220.86,5120) 7245,5120 7245,5820 ccw(c7240,5820) 7240,5825 J7.A39@7225,5825
HPCC_B_GP13: J7.B4 U16.U26 | length 4346.2
  (L3) Inner 2 w5: v1(5492.13,4862.2) 5492.33,4862 5516,4862 cw(c5516,4833.03) 5536.49,4853.51 5570.86,4819.14 ccw(c5605,4853.28) 5605,4805 6543.79,4805 ccw(c6543.79,4856.21) 6579.99,4819.99 6749.39,4989.39 cw(c6775,4963.79) 6775,5000 6980,5000 ccw(c6980,5020) 7000,5020 7000,5125.86 cw(c7034.14,5125.86) 7010,5150 7140.86,5280.86 ccw(c7106.72,5315) 7155,5315 7155,5565.86 cw(c7189.14,5565.86) 7165,5590 7169.39,5594.39 ccw(c7143.79,5620) 7180,5620 7180,5715.86 ccw(c7145.86,5715.86) 7170,5740 7160.61,5749.39 cw(c7186.21,5775) 7150,5775 7150,7030 ccw(c7130,7030) 7130,7050 7115,7050 cw(c7115,7065) 7100,7065 7100,7530 cw(c7120,7530) 7120,7550 7165,7550 ccw(c7165,7560) 7175,7560 v1(7175,7575)
HPCC_B_GP14: J7.B5 U16.U25 | length 4360.6
  (L3) Inner 2 w5: v1(5452.76,4862.2) 5452.76,4852.24 ccw(c5463,4852.24) 5463,4842 5495.89,4842 cw(c5495.89,4800.7) 5525.1,4829.9 cw(c5505.01,4809.82) 5533.42,4809.82 ccw(c5558.27,4809.86) 5558.19,4785 5589.23,4785 6558.79,4785 ccw(c6558.79,4836.21) 6594.99,4799.99 6760.86,4965.86 cw(c6795,4931.72) 6795,4980 7020,4980 ccw(c7020,5005) 7045,5005 7045,5118.79 cw(c7096.21,5118.79) 7059.99,5154.99 7160.86,5255.86 ccw(c7126.72,5290) 7175,5290 7175,5555.86 cw(c7209.14,5555.86) 7185,5580 7189.39,5584.39 ccw(c7163.79,5610) 7200,5610 7200,7080 ccw(c7180,7080) 7180,7100 7165,7100 cw(c7165,7115) 7150,7115 7150,7510 cw(c7165,7510) 7165,7525 v1(7175,7525)
HPCC_B_GP15: J7.B8 U16.W21 | length 4814.4
  (L3) Inner 2 w5: v1(5295.28,4783.46) 5295.28,4772.72 ccw(c5304,4772.72) 5304,4764 5341,4764 cw(c5341,4750) 5355,4750 5355,4735 ccw(c5365,4735) 5365,4725 5550.86,4725 cw(c5550.86,4690.86) 5575,4715 5599.39,4690.61 ccw(c5625,4716.21) 5625,4680 5748.79,4680 cw(c5748.79,4628.79) 5784.94,4665.06 5820.86,4629.14 ccw(c5855,4663.28) 5855,4615 6643.79,4615 ccw(c6643.79,4666.21) 6679.99,4629.99 6869.39,4819.39 cw(c6895,4793.79) 6895,4830 7265,4830 ccw(c7265,4860) 7295,4860 7295,5737.93 cw(c7312.07,5737.93) 7300,5750 ccw(c7287.93,5762.07) 7305,5762.07 7305,5787.93 ccw(c7287.93,5787.93) 7300,5800 cw(c7312.07,5812.07) 7295,5812.07 7295,7335 ccw(c7280,7335) 7280,7350 7185,7350 cw(c7185,7360) 7175,7360 v1(7175,7375)
HPCC_B_GP16: J7.B9 U16.V21 | length 4613.1
  (L3) Inner 2 w5: v1(5295.28,4822.83) 5295.28,4813.72 ccw(c5306,4813.72) 5306,4803 5382,4803 cw(c5382,4790) 5395,4790 5395,4775 ccw(c5405,4775) 5405,4765 5495.86,4765 cw(c5495.86,4730.86) 5520,4755 5527.93,4747.07 ccw(c5545,4764.14) 5545,4740 6005.86,4740 cw(c6005.86,4705.86) 6030,4730 6037.93,4722.07 ccw(c6055,4739.14) 6055,4715 6698.79,4715 ccw(c6698.79,4766.21) 6734.99,4729.99 6849.39,4844.39 cw(c6875,4818.79) 6875,4855 7200,4855 ccw(c7200,4890) 7235,4890 7235,5015.86 cw(c7269.14,5015.86) 7245,5040 7255.86,5050.86 ccw(c7221.72,5085) 7270,5085 7270,5742.93 cw(c7287.07,5742.93) 7275,5755 7281.46,5761.46 ccw(c7272.93,5770) 7285,5770 7285,5777.93 ccw(c7267.93,5777.93) 7280,5790 7273.54,5796.46 cw(c7282.07,5805) 7270,5805 7270,7285 ccw(c7255,7285) 7255,7300 7185,7300 cw(c7185,7310) 7175,7310 v1(7175,7325)
HPCC_B_GP17: J7.B12 U16.U21 | length 4365.1
  (L3) Inner 2 w5: v1(5295.28,4862.2) 5295.28,4852.72 ccw(c5306,4852.72) 5306,4842 5419,4842 cw(c5419,4829) 5432,4829 5432,4817 ccw(c5446,4817) 5446,4803 5490.69,4803 cw(c5490.69,4775.69) 5509.99,4795.01 5532.93,4772.07 ccw(c5550,4789.14) 5550,4765 6678.79,4765 ccw(c6678.79,4816.21) 6714.99,4779.99 6800.86,4865.86 cw(c6835,4831.72) 6835,4880 7180,4880 ccw(c7180,4905) 7205,4905 7205,5055.86 cw(c7239.14,5055.86) 7215,5080 7237.93,5102.93 ccw(c7220.86,5120) 7245,5120 7245,7130 ccw(c7225,7130) 7225,7150 7185,7150 cw(c7185,7160) 7175,7160 v1(7175,7175)
HPCC_B_GP18: J7.B13 U16.U24 | length 3856.4
  (L10) Inner 9 w5: v1(5413.39,4862.2) 5413.39,4850.61 ccw(c5422,4850.61) 5422,4842 5531.03,4842 cw(c5531.03,4801.03) 5560,4830 5567.32,4822.68 ccw(c5610,4865.36) 5610,4805 6510.86,4805 ccw(c6510.86,4851.21) 6543.54,4818.54 6730.86,5005.86 cw(c6765,4971.72) 6765,5020 6925,5020 ccw(c6925,5045) 6950,5045 6950,5118.79 cw(c7001.21,5118.79) 6964.99,5154.99 7117.32,5307.32 ccw(c7074.64,5350) 7135,5350 7135,5690.86 ccw(c7100.86,5690.86) 7125,5715 7107.07,5732.93 cw(c7124.14,5750) 7100,5750 7100,7032.2 ; 7100,7032.23 cw(c7142.9,7032.23) 7112.58,7062.58 v1(7175,7125)
HPCC_B_GP19: J7.B16 U16.V23 | length 3775.3
  (L10) Inner 9 w5: v1(5374.02,4822.83) 5374.02,4813.98 ccw(c5385,4813.98) 5385,4803 5510.69,4803 cw(c5510.69,4775.69) 5529.99,4795.01 5534.39,4790.61 ccw(c5549.46,4805.68) 5549.46,4784.36 6517.25,4784.36 ccw(c6517.25,4849.82) 6563.54,4803.54 6745.86,4985.86 cw(c6780,4951.72) 6780,5000 6975,5000 ccw(c6975,5025) 7000,5025 7000,5118.79 cw(c7051.21,5118.79) 7014.99,5154.99 7140.86,5280.86 ccw(c7106.72,5315) 7155,5315 7155,5750.76 ccw(c7144.76,5750.76) 7152,5758 cw(c7156.83,5762.83) 7150,5762.83 7150,6960 cw(c7165,6960) 7165,6975 v1(7175,6975)